# Altium PCB USB_Tool.PcbDoc
Units mil, origin at the board's own origin, x right, y up, seen from the top; angles counter-clockwise.
Board outline 826.77 x 2027.56 mil, 2 copper layers (Top Layer, Bottom Layer), stack 12.8 mil thick; 39 components, 35 nets, 209 pads, 55 vias.
Unrouted connection lines stored in the file: 4.
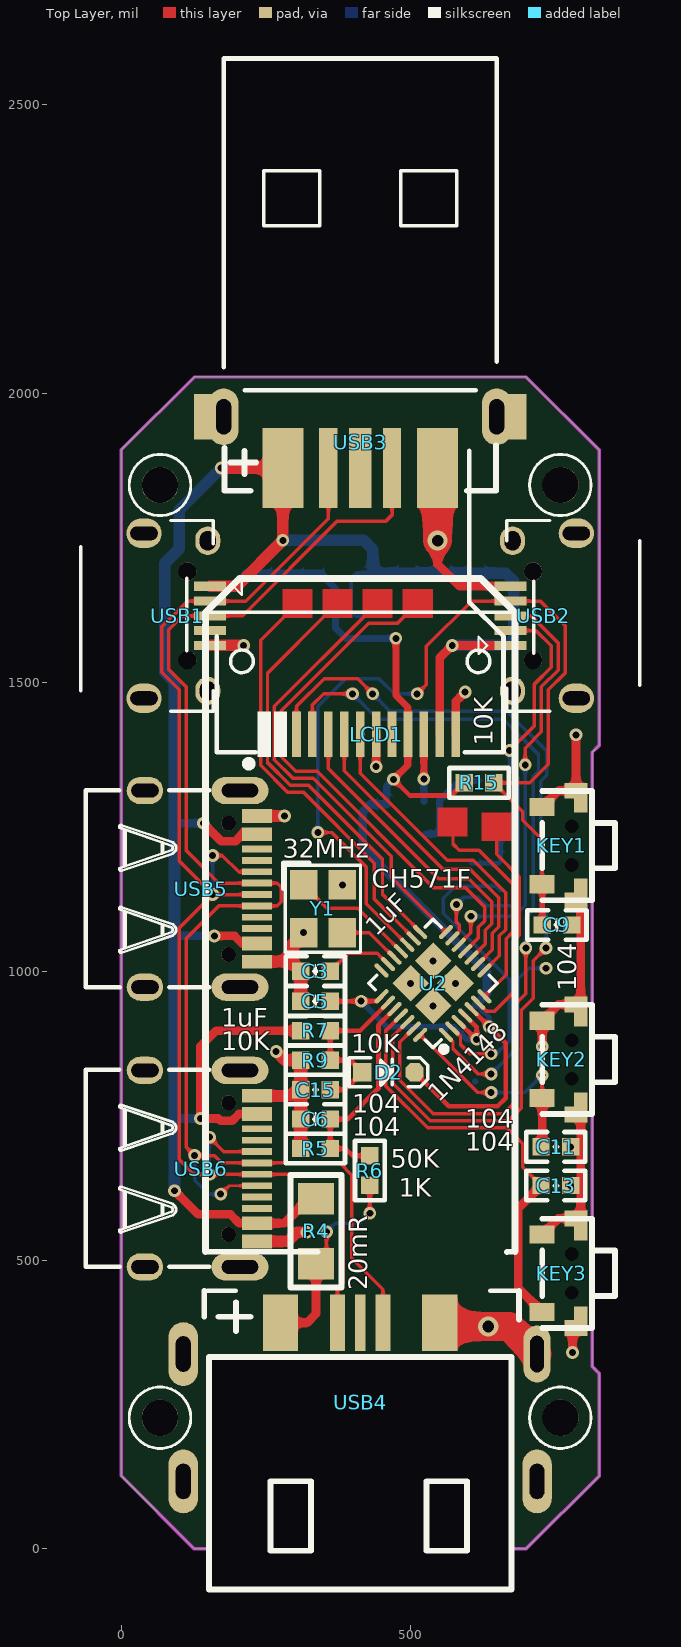
[diagram p0: Top Layer view]
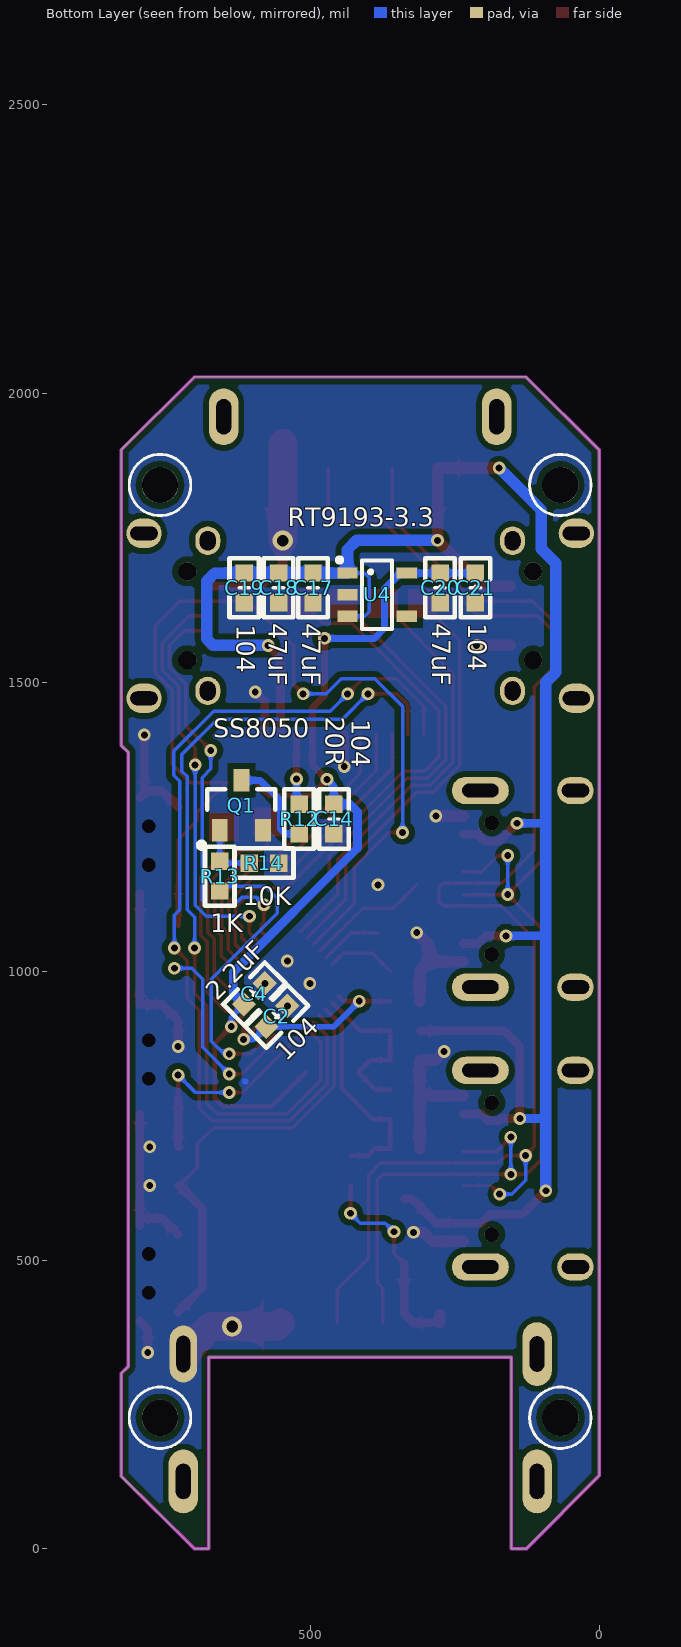
[diagram p1: Bottom Layer view, seen from below]
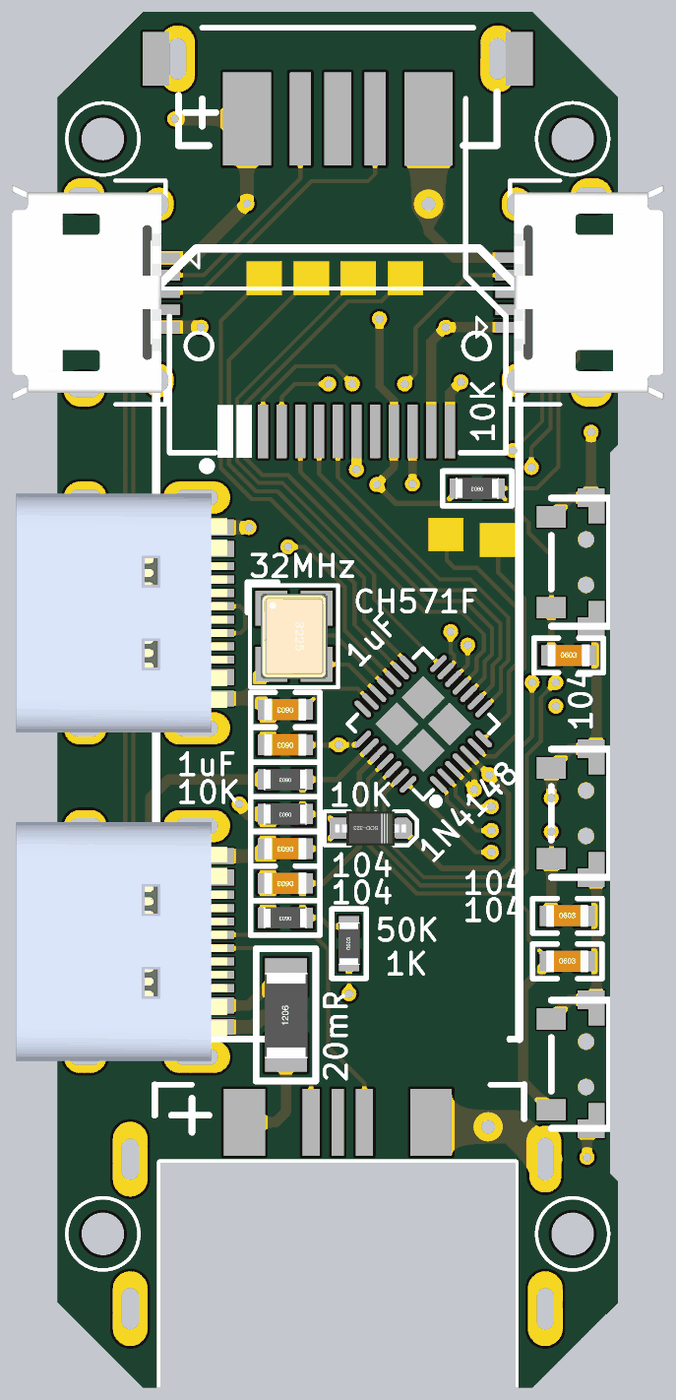
[diagram p2: 3D render of the assembled board from above, using the file's embedded part models]
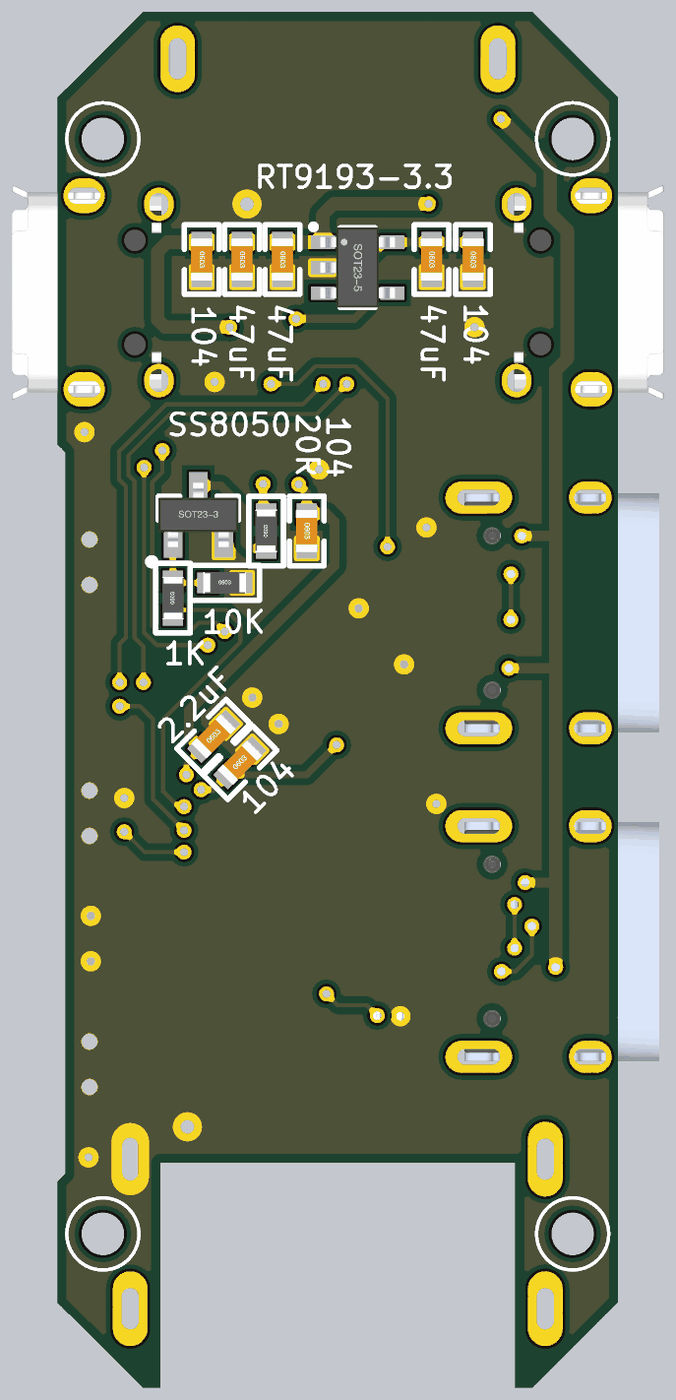
[diagram p3: 3D render of the assembled board from below, using the file's embedded part models]

## Layer stack, top to bottom
Top Solder: solder mask 0.4, Solder Resist, Dk 3.5
Top Layer: signal copper 1.4
Dielectric1: core 10, FR-4, Dk 4.2
Bottom Layer: signal copper 1.4
Bottom Solder: solder mask 0.4, Solder Resist, Dk 3.5

## Board outline
125.98,0.75 151.57,0.75 151.57,332 675.2,332 675.2,0.75 700.79,0.75 826.77,125.98 826.77,303.9 814.96,315.71 814.96,1378.7 826.77,1390.51 826.77,1902.32 700.79,2027.56 700.79,2028.31 125.98,2028.31 125.98,2027.56 0,1902.32 0,126.73

## Design rules (kind name [scope] priority, off if disabled: settings)
Clearance "Clearance - Default - DEFAULT - Net" [All] p1: gap=6 except(10: Arc-Poly Track-Poly SMDPad-Poly THPad-Poly Via-Poly Fill-Poly Poly-Poly)
ComponentClearance "ComponentClearance - Default - DEFAULT" [All] p1: gap=0 collisioncheckmode=3 verticalgap=0 showdistances=FALSE
DiffPairsRouting "DiffPairsRouting - DiffPair - Default" [All] p1: maxlimit=5 minlimit=5 mostfreqgap=5 toplayer_minwidth=5 toplayer_maxwidth=5 toplayer_prefwidth=5 bottomlayer_minwidth=5 bottomlayer_maxwidth=5 bottomlayer_prefwidth=5 maxuncoupledlength=500
FanoutControl Fanout_SOIC [IsSOIC] p1: bgadir=Out bgaviamode=Centered fanoutstyle=Auto fanoutdirection=Alternating viagrid=1 // Fanout_SOIC (Default Rule)
FanoutControl Fanout_Small [(CompPinCount < 5)] p2: bgadir=Out bgaviamode=Centered fanoutstyle=Auto fanoutdirection=OutThenIn viagrid=1 // Fanout_Small (Default Rule)
FanoutControl Fanout_LCC [IsLCC] p3: bgadir=Out bgaviamode=Centered fanoutstyle=Auto fanoutdirection=Alternating viagrid=1 // Fanout_LCC (Default Rule)
FanoutControl Fanout_BGA [IsBGA] p4: bgadir=Out bgaviamode=Centered fanoutstyle=Auto fanoutdirection=Alternating viagrid=1 // Fanout_BGA (Default Rule)
HoleSize [All] p1: absolutevalues=TRUE maxlimit=1000 minlimit=1 maxpercent=80.000 minpercent=20.000
HoleToHoleClearance "HoleToHoleClearance - Default - DEFAULT" [All] p1 off: gap=0 allowstackedmicrovias=TRUE
Length "Length - NetClass - SJ1" [InNetClass('SJ1')] p1: maxlimit=962 minlimit=937
Length "Length - NetClass - MLNetGroup5" [InNetClass('MLNetGroup5')] p2: maxlimit=18503.27 minlimit=0
Length "Length - NetClass - MLNetGroup6" [InNetClass('MLNetGroup6')] p3: maxlimit=18503.27 minlimit=0
Length "Length - NetClass - DZX" [InNetClass('DZX')] p4: maxlimit=1085 minlimit=985
Length "Length - NetClass - SJ2" [InNetClass('SJ2')] p5: maxlimit=495 minlimit=470
Length "Length - NetClass - MLNetGroup4" [InNetClass('MLNetGroup4')] p6: maxlimit=2468 minlimit=2368
Length "Default Length" [All] p7: maxlimit=50000 minlimit=0
MatchedLengths "MatchedLengths - NetClass - DZX" [InNetClass('DZX')] p1: tolerance=100 checknetsindiffpair=FALSE checkdiffpairvsdiffpair=TRUE checkxsignals=TRUE checkothers=TRUE
MatchedLengths "MatchedLengths - NetClass - SJ1" [InNetClass('SJ1')] p2: tolerance=25 checknetsindiffpair=FALSE checkdiffpairvsdiffpair=TRUE checkxsignals=TRUE checkothers=TRUE
MatchedLengths "MatchedLengths - NetClass - MLNetGroup4" [InNetClass('MLNetGroup4')] p3: tolerance=100 checknetsindiffpair=FALSE checkdiffpairvsdiffpair=TRUE checkxsignals=TRUE checkothers=TRUE
MatchedLengths "MatchedLengths - NetClass - MLNetGroup5" [InNetClass('MLNetGroup5')] p4: tolerance=200 checknetsindiffpair=FALSE checkdiffpairvsdiffpair=TRUE checkxsignals=TRUE checkothers=TRUE
MatchedLengths "MatchedLengths - NetClass - MLNetGroup6" [InNetClass('MLNetGroup6')] p5: tolerance=200 checknetsindiffpair=FALSE checkdiffpairvsdiffpair=TRUE checkxsignals=TRUE checkothers=TRUE
MatchedLengths "MatchedLengths - NetClass - SJ2" [InNetClass('SJ2')] p6: tolerance=25 checknetsindiffpair=FALSE checkdiffpairvsdiffpair=TRUE checkxsignals=TRUE checkothers=TRUE
MaxMinImpedance "Default Impedance" [All] p1: minimum=50.00 maximum=150.0
MinimumSolderMaskSliver [All] p1 off: minsoldermaskwidth=10
NetAntennae [All] p1 off: netantennaetolerance=0
ParallelSegment "Default Parallel Segment Same Layer" [All] p1 off: limit=1000 gap=200
PlaneConnect "Default PlaneConnect" [All] p1: planeconnectstyle=Relief reliefexpansion=20 reliefentries=0 reliefconductorwidth=15 reliefairgap=10
PolygonConnect "PolygonConnect - Default SMT" [IsSMTPin] p1: connectstyle=Direct reliefconductorwidth=10 reliefentries=4 polygonreliefangle="45 Angle" airgapwidth=10
PolygonConnect "PolygonConnect - Default Pad" [All] p2: connectstyle=Direct reliefconductorwidth=15 reliefentries=4 polygonreliefangle="45 Angle" airgapwidth=10
RoomDefinition USB_Tool [InComponentClass('USB_Tool')] p1: confinementstyle=ConfineIn formatcopy=TRUE lockcomponents=FALSE outline -19143.7,-8861.46 -17143.7,-8861.46 -17143.7,-7861.46 -19143.7,-7861.46
RoutingLayers "RoutingLayers - Default - DEFAULT" [All] p1: top layer_v5=TRUE bottom layer_v5=TRUE
RoutingPriority "RoutingPriority - Default - DEFAULT" [All] p1: routingpriority=3
RoutingTopology "Default Routing Topology" [All] p1: topology=Shortest
RoutingVias "RoutingVias - Default - DEFAULT" [All] p1: holewidth=12 width=22 viastyle="Through Hole" minholewidth=12 minwidth=22 maxholewidth=200 maxwidth=500
SMDToCorner "SMDToCorner - Default - DEFAULT" [All] p1: distance=0
SilkToSilkClearance [All] p1 off: silktosilkclearance=10
SilkToSolderMaskClearance [IsPad] p1 off: minsilkscreentomaskgap=10 clearancetoexposedcopper=TRUE
SolderMaskExpansion [All] p1: expansion=4
Width "Width - Net - GND" [InNet('GND')] p1: maxlimit=100 minlimit=6 preferedwidth=10 minimp=50.000000 maximp=50.000000 favimp=50.000000
Width "Width - NetClass - GND_POW" [InNetClass('GND_POW')] p2: maxlimit=100 minlimit=5 preferedwidth=16
Width "Default Width" [All] p3: maxlimit=100 minlimit=5 preferedwidth=5
14 further rules are at their usual default settings.

## Components (designator, comment, footprint, x,y, rotation, side; value= is the part's Value field where it differs from the comment)
C2 "104" "C 0603_L" 557.55,921.83 r135 bottom
C3 "1uF" "C 0603_L" 336,1000 r180 top
C4 "2.2uF" "C 0603_L" 596.44,960.72 r135 bottom
C5 "1uF" "C 0603_L" 336,948 r180 top
C6 "104" "C 0603_L" 336,744 r180 top
C9 "104" "C 0603_L" 753.94,1079.95 r0 top
C11 "104" "C 0603_L" 752,696 r0 top
C13 "104" "C 0603_L" 752,629 r0 top
C14 "104" "C 0603_L" 459,1263.34 r270 bottom
C15 "104" "C 0603_L" 336,795 r180 top
C17 "47uF" "C 0603_L" 495,1663.41 r270 bottom
C18 "47uF" "C 0603_L" 554.5,1663.41 r270 bottom
C19 "104" "C 0603_L" 614,1663.41 r270 bottom
C20 "47uF" "C 0603_L" 275,1663.41 r270 bottom
C21 "104" "C 0603_L" 214,1663.41 r270 bottom
D2 "1N4148" SOD-323 462.27,825 r0 top
KEY1 "KEY_3" "TSW 2*4*3.5-S-W" 779.53,1217.28 r90 top locked
KEY2 "KEY_3" "TSW 2*4*3.5-S-W" 779.53,847.2 r90 top locked
KEY3 "KEY_3" "TSW 2*4*3.5-S-W" 779.53,477.13 r90 top locked
LCD1 "LCD" 0.96LCD 413.39,1410.2 r90 top locked
Q1 "SS8050" SOT23-3N 619,1287 r180 bottom
R4 "20mR" "R 1206_L" 337,548.91 r90 top
R5 "50K" "R 0603_L" 336,693 r180 top
R6 "1K" "R 0603_L" 430,655 r90 top
R7 "10K" "R 0603_L" 336,897 r180 top
R9 "10K" "R 0603_L" 336,846 r180 top
R12 "20R" "R 0603_L" 519,1263.34 r90 bottom
R13 "1K" "R 0603_L" 656.4,1164.4 r90 bottom
R14 "10K" "R 0603_L" 580,1187 r180 bottom
R15 "10K" "R 0603_L" 619,1326 r180 top
U2 "CH571F" QFN28_4X4 539.46,978.81 r45 top locked
U4 "RT9193-3.3" SOT23-5L 384.18,1651.6 r270 bottom
USB1 "USB-5P" USB-MICRO_B 39.37,1614.92 r270 top
USB2 "USB-5P" USB-MICRO_B 787.4,1614.92 r90 top locked
USB3 "USB-A5/P" USB_A5/P_B 413.39,1910.2 r90 top locked
USB4 "USB-A5/S" USB_A5/S_B 413.39,422.01 r270 top locked
USB5 "USB TypeC" "USB Type-C" 137.8,1142.48 r270 top locked
USB6 "USB TypeC" "USB Type-C" 137.8,658.23 r270 top locked
Y1 "32MHz" "OSC 3225-4P" 349,1108 r270 top

## Footprints (in the part's own frame and the unit in brackets; to place one, negate y for a bottom-side part, rotate by r counter-clockwise, add the part's x,y. Pads: shape width x height; smd on the part's side, far side on the other; paste and mask are expansions set on the pad)
0.96LCD [mm]
  rect 2x0.38 smd: 3(0,2.8) 4(0,2.1) 5(0,1.4) 6(0,0.7) 7(0,0) 8(0,-0.7) 9(0,-1.4) 10(0,-2.1) 11(0,-2.8) 12(0,-3.5) 13(0,-4.2)
  silkscreen extent -1.45,-6.3 12.45,6.3
"C 0603_L" [mil] "无极性贴片电容"
  rect 30x30 smd: 1(-25.59,0) 2(25.59,0)
  silkscreen extent -51,-26 51,26, body extent -31,-16 31,16, height 32
"OSC 3225-4P" [mm] "3.2*2.5*0.7mm(长宽高)"
  rect 1.3x1.2 smd: 1(-1.05,-0.85) 2(1.05,-0.85) 3(1.05,0.85) 4(-1.05,0.85)
  silkscreen extent -2.03,-1.75 1.9,1.65, body extent -1.6,-1.25 1.6,1.25, height 0.7
QFN28_4X4 [mm]
  rect 1.143x1.143 smd mask+0: 0(-0.699,-0.699) 0(-0.698,0.699) 0(0.698,0.699) 0(0.699,-0.699)
  oval 0.2x0.8 smd: 1(-1.2,-2) 2(-0.8,-2) 3(-0.4,-2) 4(0,-2) 5(0.4,-2) 6(0.8,-2) 7(1.2,-2) 15(1.2,2) 16(0.8,2) 17(0.4,2) 18(0,2) 19(-0.4,2) 20(-0.8,2) 21(-1.2,2)
  oval 0.8x0.2 smd: 8(2,-1.2) 9(2,-0.8) 10(2,-0.4) 11(2,0) 12(2,0.4) 13(2,0.8) 14(2,1.2) 22(-2,1.2) 23(-2,0.8) 24(-2,0.4) 25(-2,0) 26(-2,-0.4) 27(-2,-0.8) 28(-2,-1.2)
  silkscreen extent -2,-2.51 2,2
"R 0603_L" [mil] "1/10W贴片电阻"
  rect 30x30 smd: 1(-25.59,0) 2(25.59,0)
  silkscreen extent -51,-26 51,26, body extent -31,-16 31,16, height 16
"R 1206_L" [mil] "1/4W贴片电阻"
  rect 55x62 smd: 1(-55.12,0) 2(57.09,0)
  silkscreen extent -96,-44 98,44, body extent -63,-31 63,32, height 22
SOD-323 [mm] "二极管"
  rect 0.8x0.8 smd mask+0.076: 1(-1.15,0)
  oct 0.8x0.8 smd mask+0.076: 2(1.15,0)
  silkscreen extent -1.73,-0.63 1.73,0.64, body extent -1.34,-0.66 1.31,0.64, height 1
SOT23-3N [mm] "3x1.3x1mm(长宽高)"
  rect 0.7x1 smd: 1(-0.95,-1.1) 2(0.95,-1.1) 3(0,1.1)
  silkscreen extent -1.88,-1.88 1.5,0.7, body extent 0,0 0,0
SOT23-5L [mm] "3x1.6x1.1mm(长宽高)"
  rect 0.5x0.9 smd: 1(-0.95,-1.3) 2(0,-1.3) 3(0.95,-1.3) 4(0.95,1.3) 5(-0.95,1.3)
  silkscreen extent -1.6,-1.73 1.5,0.66, body extent 0,0 0,0
"TSW 2*4*3.5-S-W" [mm]
  rect 0.7x1 smd mask+0.064: 0(-2.413,-0.19) 0(2.413,-0.19)
  rect 1.3x0.6 smd mask+0.064: 0(-2.1,-0.395) 0(2.1,-0.395)
  round 0 hole 0.6: 0(-0.85,0) 0(0.85,0)
  rect 0.8x1.1 smd mask+0.064: 1(1.7,1.3) 2(-1.7,1.3)
  silkscreen extent -2.4,-1.9 2.4,1.3
"USB Type-C" [mm] "USB Type-C 12P/16P"
  rect 0.6x1.3 smd mask+0.064: 1(-3.2,2.462) 2(-2.4,2.462) 11(2.4,2.462) 12(3.2,2.462)
  rect 0.3x1.3 smd mask+0.064: 3(-1.75,2.462) 4(-1.25,2.462) 5(-0.75,2.462) 6(-0.25,2.462) 7(0.25,2.462) 8(0.75,2.462) 9(1.25,2.462) 10(1.75,2.462)
  oval 1.2x2.5 hole 0.6 slot 1.6 at 90 deg: SH1(-4.32,1.717) SH3(4.32,1.717)
  oval 1.2x1.6 hole 0.6 slot 1.2 at 90 deg: SH2(-4.32,-2.462) SH4(4.32,-2.462)
  round 0.65 hole 0.65 unplated mask+0: ""(-2.89,1.218) ""(2.89,1.218)
  silkscreen extent -4.34,-5.07 4.32,0.37, body extent -4.47,-5.04 4.47,2.86, height 3.2
USB-MICRO_B [mm] "micro型USB ，5.7*7.8*2.5mm"
  rect 0.4x1.4 smd: 1(-1.3,2.9) 2(-0.65,2.9) 3(0,2.9) 4(0.65,2.9) 5(1.3,2.9)
  oval 1.3x1.55 hole 0.6 slot 1.2 at 90 deg: 6(-3.625,0) 6(3.625,0)
  oval 1.25x1.1 hole 0.7 slot 0.85 at 0 deg: 6(-3.3,2.8) 6(3.3,2.8)
  round 0.8 hole 0.8 unplated: ""(-1.95,1.9) ""(1.95,1.9)
  silkscreen extent -4.19,-2.79 4.19,4.3, body extent -4,-2.71 4,2.89, height 2.8
USB_A5/P_B [mm]
  rect 3.5x1.8 smd: 1(-1,3.4) 5(-1,-3.4)
  rect 3.5x0.8 smd: 2(-1,1.4) 4(-1,-1.4)
  rect 3.5x1 smd: 3(-1,0)
  oval 2.5x1.3 hole 0.65 slot 1.55 at 0 deg: 6(1.25,6) 6(1.25,-6)
  rect 2x1 smd: 6(1.25,6.8) 6(1.25,-6.8)
  silkscreen extent -2,-6 17,6
USB_A5/S_B [mm]
  rect 2.5x1.55 smd: 1(0.773,-3.5) 5(0.773,3.5)
  rect 2.5x0.65 smd: 2(0.773,-1) 4(0.773,1)
  rect 2.5x0.45 smd: 3(0.773,0)
  oval 2.8x1.3 hole 1.55 slot 0.65 at 90 deg: 6(2.15,-7.775) 6(7.75,7.775) 6(7.75,-7.775)
  silkscreen extent -0.63,-6.86 12.5,6.98

## Part data
C2 C3 C4 C5 C6 C9 C11 C13 C15 C17 C18 C19 C20 C21: library part C, "无极性贴片电容"
C14: library part C, "无极性电容"
D2: library part D, "二极管"
KEY1 KEY2 KEY3: "侧按键"
LCD1: library part "LCD 0.96", "0.96 LCD 80*160"
Q1: library part 8050-SMD, "高频放大-NPN型"
R4 R5 R6 R7 R9 R12 R13 R14 R15: library part R, "贴片电阻"
U2: "RISC-V MCU with BLE/USB/ADC/SPI/2*UART"
U4: library part "LDO RT9193", "LDO"
USB1 USB2 USB3 USB4: library part "USB 2.0 micro B", "micro_USB母座"
USB5 USB6: library part "USB 2.0 Type C", "12P TypeC 母座"
Y1: library part Y-3225-4P, "晶振25MHz"

## Free pads (board coordinates)
  oval 47.24x98.43 hole 23.62 slot 62.99 at 90 deg: 6(719.49,337.36)
  round 62.99 hole 62.99 unplated: 8(66.93,227.13) 8(66.93,1841.3) 8(759.84,227.13) 8(759.84,1841.3)

## Via types
v1: diameter 22, hole 12, Top Layer to Bottom Layer, 53 vias
v2: diameter 35, hole 20, Top Layer to Bottom Layer, 2 vias

## Nets (pads, with @x,y where several pads share a name; then routed paths per layer and width w, separated by ;. In a path a pad name is that pad's centre, name@x,y a point inside that pad or via, vN(x,y) a via of type N, cw(c..) or ccw(c..) an arc to the next point about the centre after c; other vN are vias at no path point)
ANT: U2.21
D+: USB1.3 USB3.4 USB4.4 USB5.6 USB5.8 USB6.6 USB6.8 | length 2464.2
  Top Layer w5: v1(172,614) 186.7,628.7 USB6.8
  Top Layer w6: USB4.4 452.76,449.24 399,503 399,647 377.93,668.07 USB6.6 173.93,668.07 161.2,680.8 v1(127,680.8) 112,695.8 112,1056 168.95,1112.95 USB5.8 269.95,1112.95 277,1120 277,1145 269.68,1152.32 USB5.6 168.68,1152.32 112,1209 112,1492 82,1522 82,1591 105.92,1614.92 USB1.3 209.92,1614.92 374,1779 458,1779 468.5,1789.5 USB3.4
  Bottom Layer w6: v1(127,680.8) 127,638 151,614 v1(172,614)
D-: USB1.2 USB3.2 USB4.2 USB5.5 USB5.7 USB6.5 USB6.7 | length 2375
  Top Layer w6: v1(152.61,712.61) 177.47,687.76 USB6.5 ; v1(158,1200) 175,1200 202.99,1172.01 USB5.5 ; USB5.7 v1(158,1132.64) ; USB3.2 358.27,1783.27 215.51,1640.51 USB1.2 114.54,1640.51 70,1595.97 70,1517.03 100,1487.03 100,1190.64 v1(158,1132.64) ; USB4.2 374.02,451.02 384,461 384,639 374.61,648.39 USB6.7 v1(152.61,648.39) 125.61,648.39 100,674 100,1074.64 v1(158,1132.64)
  Bottom Layer w6: v1(152.61,648.39) v1(152.61,712.61) ; v1(158,1132.64) v1(158,1200)
GND: C2.2 C3.2 C4.2 C5.2 C6.2 C9.2 C11.2 C13.2 C14.2 C15.2 C17.2 C18.2 C19.2 C20.2 C21.2 KEY1.0 KEY1.1 KEY2.0 KEY2.1 KEY3.0 KEY3.1 LCD1.8 LCD1.13 pad.6 Q1.2 R5.2 R9.2 R14.2 U2.0 U4.2 USB1.5 USB2.5 USB3.5 USB4.5 USB5.1 USB5.12 USB6.1 USB6.12 Y1.2 Y1.4 | length 2176.3
  Top Layer w15: v1(440.95,1353.95) LCD1.8 ; v2(547.24,1745.24) 547.24,1704.76 585.9,1666.1 USB2.5 ; LCD1.13 578.74,1466.74 v1(595,1483) ; KEY3.1 756.42,572.13 KEY3.0@787.03,572.13 ; v1(728.35,869.65) KEY2.1 756.42,942.21 KEY2.0@787.03,942.21 ; KEY1.1 756.42,1312.28 KEY1.0@787,1312.28 ; v1(781,340) 781,380.36 KEY3.0@795.09,394.45 ; v1(787,1409) KEY1.0@787,1312.28 ; KEY1.0@787.4,1307.65 795.09,1299.96 787,1308.05 KEY1.0@787,1312.28 ; KEY3.0@795.09,559.8 KEY2.0@795.09,752.21 ; KEY2.0@795.09,942.21 KEY1.0@795.09,1134.61
  Top Layer w20: USB1.5 v1(211.74,1563.74) ; USB6.12 288.24,532.24 304,548 v1(321,548) ; USB6.1 299.62,784.21 C15.2 ; USB5.12 293.92,1016.5 ; USB5.1 v1(282.53,1268.47) ; v1(268,861) 283,846 R9.2 C15.2 ; R5.2 C6.2 C15.2 ; C5.2 C3.2 293.92,1016.5 ; v1(315.54,1066.66) 293.92,1045.04 293.92,1016.5
  Top Layer w50: v2(547.24,1745.24) USB3.5 USB3.5@547.24,1913.24 ; USB4.5 557.76,385 v2(635.14,385) 671.85,385 pad.6
  Bottom Layer w10: 611.59,809 613,809
  other v1: 777.59,629 777.59,696 539.46,939.92 500.57,978.81 578.35,978.81 539.46,1017.7 382.46,1149.34
I_OUT: C6.1 R5.1 R6.2 U2.24 | length 378.6
  Top Layer w8: R6.2 400.41,680.59 388,693 R5.1 C6.1 392,744 445,797 445,906.63 U2.24
ID: USB1.4
KEY1: C9.1 KEY1.2 R15.1 U2.17 USB2.4 | length 1712.6
  Top Layer w6: v1(340,1240) 364.21,1240 424,1180.21 424,1116.54 U2.17 ; v1(512,1480) 528,1496 528,1562 606.51,1640.51 USB2.4 725.49,1640.51 768,1598 768,1516.06 739,1487.06 739,1358 707,1326 R15.1 695,1275.6 695,1261 728.35,1227.65 KEY1.2
  Top Layer w10: C9.1 KEY1.2
  Bottom Layer w6: v1(340,1240) 340,1458 388,1506 446,1506 472,1480 v1(512,1480)
KEY2: C11.1 KEY2.2 U2.28 | length 389.7
  Top Layer w6: U2.28 616.92,790 v1(640,790) ; KEY2.2 v1(728.35,820)
  Top Layer w15: C11.1 728.35,697.94 KEY2.2
  Bottom Layer w6: v1(640,790) 698.35,790 v1(728.35,820)
KEY3: C13.1 KEY3.2 U2.25 | length 748.5
  Top Layer w6: U2.25 458,897.36 458,801 530,729 667,729 695,701 695,660.4 C13.1
  Top Layer w15: C13.1 687,589.59 687,451.54 KEY3.2
LCD_BL: R13.1 U2.2 | length 539.2
  Top Layer w6: U2.2 587,886.73 587,873 603,857 v1(640,857)
  Bottom Layer w6: v1(640,857) 649,857 671,879 671,986 557,1100 557,1126 578,1147 648.21,1147 R13.1
LCD_CS: LCD1.7 U2.8 | length 554.8
  Top Layer w6: LCD1.7 413.39,1342.61 564,1192 609,1192 665,1136 665,1071.94 654,1060.94 654,1026.54 U2.8
LCD_RES: LCD1.6 U2.9 | length 550.9
  Top Layer w6: LCD1.6 385.83,1347.14 556.97,1176 604,1176 653,1127 653,1076.91 642,1065.91 642,1036.81 U2.9
LCD_RS: LCD1.5 U2.10 | length 548.8
  Top Layer w6: LCD1.5 358.27,1350.73 549,1160 601,1160 641,1120 641,1081.88 630,1070.88 630,1047.08 U2.10
LCD_SCL: LCD1.4 U2.27 | length 1443.4
  Top Layer w6: LCD1.4 330.71,1460.71 350,1480 v1(400,1480) ; U2.27 482,876.81 482,810.94 539.94,753 661,753 679,771 679,940 700,961 v1(700,1040)
  Bottom Layer w6: v1(400,1480) 444,1436 661,1436 722,1375 722,1346 713,1337 713,1106 700,1093 v1(700,1040)
LCD_SDA: LCD1.3 U2.26 | length 1570.5
  Top Layer w6: LCD1.3 303.15,1458.15 351,1506 409,1506 v1(435,1480) ; U2.26 470,887.08 470,805.97 534.97,741 670,741 692,763 692,932 713,953 713,1018 v1(735,1040)
  Bottom Layer w6: v1(435,1480) 465,1450 667,1450 736,1381 736,1339 726,1329 726,1106 735,1097 v1(735,1040)
NetLCD1_11: LCD1.11 R12.2 | length 116.6
  Top Layer w12: v1(523.62,1332.62) LCD1.11
  Bottom Layer w12: R12.2@523.62,1293.55 v1(523.62,1332.62)
NetQ1_1: Q1.1 R13.2 R14.1 | length 105.8
  Bottom Layer w8: R14.1 653.41,1187 R13.2 Q1.1
NetQ1_3: Q1.3 R12.1 | length 159.3
  Bottom Layer w12: R12.1@526.75,1237.75 542.75,1237.75 551,1246 551,1295 586.31,1330.31 Q1.3
NetR4_1: R4.1 R6.1 USB4.1 | length 367.9
  Top Layer w6: R4.1 355,511.8 v1(355,549) ; v1(430,581) 430,602
  Top Layer w8: 430,602 R6.1
  Top Layer w15: USB4.1 321.58,391.58 337,407 R4.1
  Top Layer w20: USB4.1 USB4.1@275.59,405.59
  Bottom Layer w6: v1(355,549) 370,564 413,564 v1(430,581)
PA4: C15.1 D2.1 R7.1 R9.1 U2.23 | length 302.9
  Top Layer w8: C15.1 387,795 D2.1 396,846 R9.1 R7.1 413.1,897 U2.23
PA8: U2.6 | length 387.5
  Top Layer w6: U2.6 631.81,931 646,931 678,963 678,1051 689,1062 689,1163 650,1202 650,1250
PA9: U2.7 | length 385.1
  Top Layer w6: 574,1259 574,1220 585,1209 619,1209 677,1151 677,1066.97 666,1055.97 666,994 U2.7
PA11: U2.1 | length 353
  Top Layer w6: U2.1 574,877.46 574,866 618,822 v1(640,822)
  Bottom Layer w6: v1(640,822) 686,868 686,986 705,1005 v1(735,1005)
PB4: U2.15 | length 729.6
  Top Layer w6: 361.67,1624.33 253,1515.67 253,1361.06 292.06,1322 324,1322 452,1194 452,1133.08 U2.15
PB7: U2.14 | length 763.4
  Top Layer w6: 427.33,1620.67 265,1458.33 265,1366.03 297.03,1334 332,1334 467,1199 467,1162.63 U2.14
PB10: U2.13 USB2.2 | length 746
  Top Layer w6: U2.13 585,1068.9 585,1080 580,1085 v1(580,1115) ; v1(672,1382) 715,1425 715,1497 744,1526 744,1563 717.67,1589.33 USB2.2
  Bottom Layer w6: v1(580,1115) 593,1128 618,1128 633,1113 677.28,1113 687,1122.72 687,1335 672,1350 v1(672,1382)
PB11: U2.12 USB2.3 | length 739.7
  Top Layer w6: U2.12 605,1066.63 v1(605,1095) ; USB2.3 709.05,1614.92 756,1567.97 756,1521.03 727,1492.03 727,1414 699,1386 v1(699,1357)
  Bottom Layer w6: v1(605,1095) 680,1095 699,1114 v1(699,1357)
PB12: U2.11 | length 920.6
  Top Layer w6: 497,1621 478,1602 428,1602 277,1451 277,1371 302,1346 339,1346 541,1144 596,1144 629,1111 629,1086.85 618,1075.85 618,1057.36 U2.11
PB23: U2.16 | length 711
  Top Layer w6: 289.5,1621.5 241,1573 241,1356.09 287.09,1310 315,1310 438,1187 438,1124.81 U2.16
USB: C17.1 C18.1 C19.1 LCD1.12 R4.2 R7.2 U4.1 U4.3 USB1.1 USB2.1 USB3.1 USB5.2 USB5.11 USB6.2 USB6.11 | length 3807.2
  Top Layer w15: v1(92,620) 133,579 189,579 204.26,563.74 USB6.11 281.74,563.74 324,606 R4.2 ; v1(142,1256) 173,1225 197.78,1225 209.75,1236.97 USB5.2 ; v1(161,1061) 196,1061 209.01,1047.99 USB5.11 ; USB6.2 203.63,752.72 191.91,741 172,741 168,745 v1(137,745) 137,870 164,897 R7.2 ; LCD1.12 551.18,1542.18 v1(572.74,1563.74) USB2.1
  Top Layer w20: USB1.1 200.1,1666.1 v1(279.53,1745.53) USB3.1 v1(172.83,1870.83)
  Bottom Layer w6: U4.3 405.8,1614.2 397.87,1622.13 397.87,1680.87 406,1689 U4.1
  Bottom Layer w15: 92,1062 93,1061 v1(161,1061) ; 92,1255 93,1256 v1(142,1256) ; 95,745 v1(137,745)
  Bottom Layer w20: v1(92,620) 92,1062 92,1255 92,1500 75,1517 75,1706 100,1731 100,1798 v1(172.83,1870.83) ; v1(279.53,1745.53) 419.47,1745.53 435.36,1729.64 U4.1 C17.1 C18.1 C19.1 665,1689 679,1675 679,1575 667.74,1563.74 v1(572.74,1563.74)
VDCIA: C2.1 C5.1 U2.3 U2.4 U2.22 | length 412.4
  Top Layer w8: C5.1 v1(415,948) 441.84,948 U2.22 ; U2.3 614,882 v1(615,882) 615,903.27 U2.4
  Bottom Layer w10: v1(415,948) 459.27,903.73 C2.1 597.38,882 v1(615,882)
VDD33: C4.1 C14.1 C20.1 C21.1 D2.2 LCD1.10 R15.2 U2.5 U4.5 | length 1692.4
  Top Layer w8: v1(471,1332) 499,1304 571.41,1304 R15.2 ; D2.2 566.55,766 651,766 665,780 665,875.54 v1(636.54,904) U2.5
  Top Layer w12: v1(471,1332) 496.06,1357.06 LCD1.10 496.06,1455.94 475,1477 v1(475,1576)
  Bottom Layer w8: C4.1 636.54,920.62 v1(636.54,904)
  Bottom Layer w12: C21.1 C20.1 U4.5 344,1689 371,1662 371,1594 389,1576 v1(475,1576) ; C14.1 459,1320 v1(471,1332)
  Bottom Layer w15: C14.1 430.93,1288.93 418,1276 418,1213 633,998 633,961.08 C4.1
VINTA: C3.1 U2.20 | length 120.5
  Top Layer w6: C3.1 392.59,1031 442.73,1031 U2.20
X32MI: U2.19 Y1.3 | length 108.1
  Top Layer w6: Y1.3 429.34,1066.66 U2.19
X32MO: U2.18 Y1.1 | length 215.8
  Top Layer w6: Y1.1 355.87,1109 409.27,1109 U2.18
pads on no net: LCD1.9 U4.4 USB1. USB1.6 USB2. USB2.6 USB3.3 USB3.6 USB4.3 USB4.6 USB5. USB5.3 USB5.4 USB5.9 USB5.10 USB5.SH1 USB5.SH2 USB5.SH3 USB5.SH4 USB6. USB6.3 USB6.4 USB6.9 USB6.10 USB6.SH1 USB6.SH2 USB6.SH3 USB6.SH4

## Polygon pours and split planes (outlines as drawn)
GND on Bottom Layer "Mechanical 1-No Net" (solid, remove dead copper, pour order 533): 125.98,0.75 151.57,0.75 151.57,332 675.2,332 675.2,0.75 700.79,0.75 826.77,125.98 826.77,303.9 814.96,315.71 814.96,1378.7 826.77,1390.51 826.77,1902.32 700.79,2027.56 700.79,2028.31 125.98,2028.31 125.98,2027.56 0,1902.32 0,126.73

## Keep-outs
Keep-Out Layer:
  lines w5.98: 814.96,315.71 814.96,1378.7
  lines w6: 125.99,0 0,126.73 0,1902.32 125.99,2027.56 ; 125.99,0.75 151.58,0.75 151.58,332 675.2,332 675.2,0.75 700.79,0.75 826.77,125.98 ; 125.99,2028.31 700.79,2028.31 ; 700.79,2027.56 826.77,1902.32 826.77,1390.51 814.96,1378.7 ; 814.96,315.71 826.77,303.9 826.77,126.73

## Other copper
Top Layer:
  rectangle net PB12: 487,1611 539,1661
  rectangle net PB7: 417.67,1611 469.67,1661
  rectangle net PB4: 348.33,1611 400.33,1661
  rectangle net PB23: 279,1611 331,1661
  rectangle net PA8: 623,1225 675,1275
  rectangle net PA9: 547,1233 599,1283

## Silkscreen, mask and mechanical layers (free items; w line width, h text height)
Top Overlay:
  circle w5: c759.84,227.13 r53.15
  circle w5: c66.93,227.13 r53.15
  circle w5: c759.84,1841.3 r53.15
  circle w5: c66.93,1841.3 r53.15
  rectangle: 236.03,1371 259.03,1449
  rectangle: 264,1371 287,1449
  lines w5.91: 145.67,1620.83 681.1,1620.83
  lines w10: 145.67,514.53 339.98,514.53 ; 667.28,514 667.8,514.53 681.1,514.53
  lines w12: 145.67,514.53 145.67,1620.83 204.73,1679.88 622.05,1679.88 681.1,1620.83 681.1,514.53
Bottom Overlay:
  circle w5: c66.93,227.13 r53.15
  circle w5: c759.84,227.13 r53.15
  circle w5: c66.93,1841.3 r53.15
  circle w5: c759.84,1841.3 r53.15
Top Solder:
  rectangle: 487,1611 539,1661
  rectangle: 417.67,1611 469.67,1661
  rectangle: 348.33,1611 400.33,1661
  rectangle: 279,1611 331,1661
  rectangle: 623,1225 675,1275
  rectangle: 547,1233 599,1283
Mechanical 1:
  lines w5.98: 814.96,315.71 814.96,1378.7
  lines w6: 125.99,0 0,126.73 0,1902.32 125.99,2027.56 ; 125.99,0.75 151.58,0.75 151.58,332 675.2,332 675.2,0.75 700.79,0.75 826.77,125.98 ; 125.99,2028.31 700.79,2028.31 ; 700.79,2027.56 826.77,1902.32 826.77,1390.51 814.96,1378.7 ; 814.96,315.71 826.77,303.9 826.77,126.73
Mechanical 13:
  lines w12: 145.67,514.53 145.67,1620.83 204.73,1679.88 622.05,1679.88 681.1,1620.83 681.1,514.53